# KiCad board panel.kicad_pcb (continued)
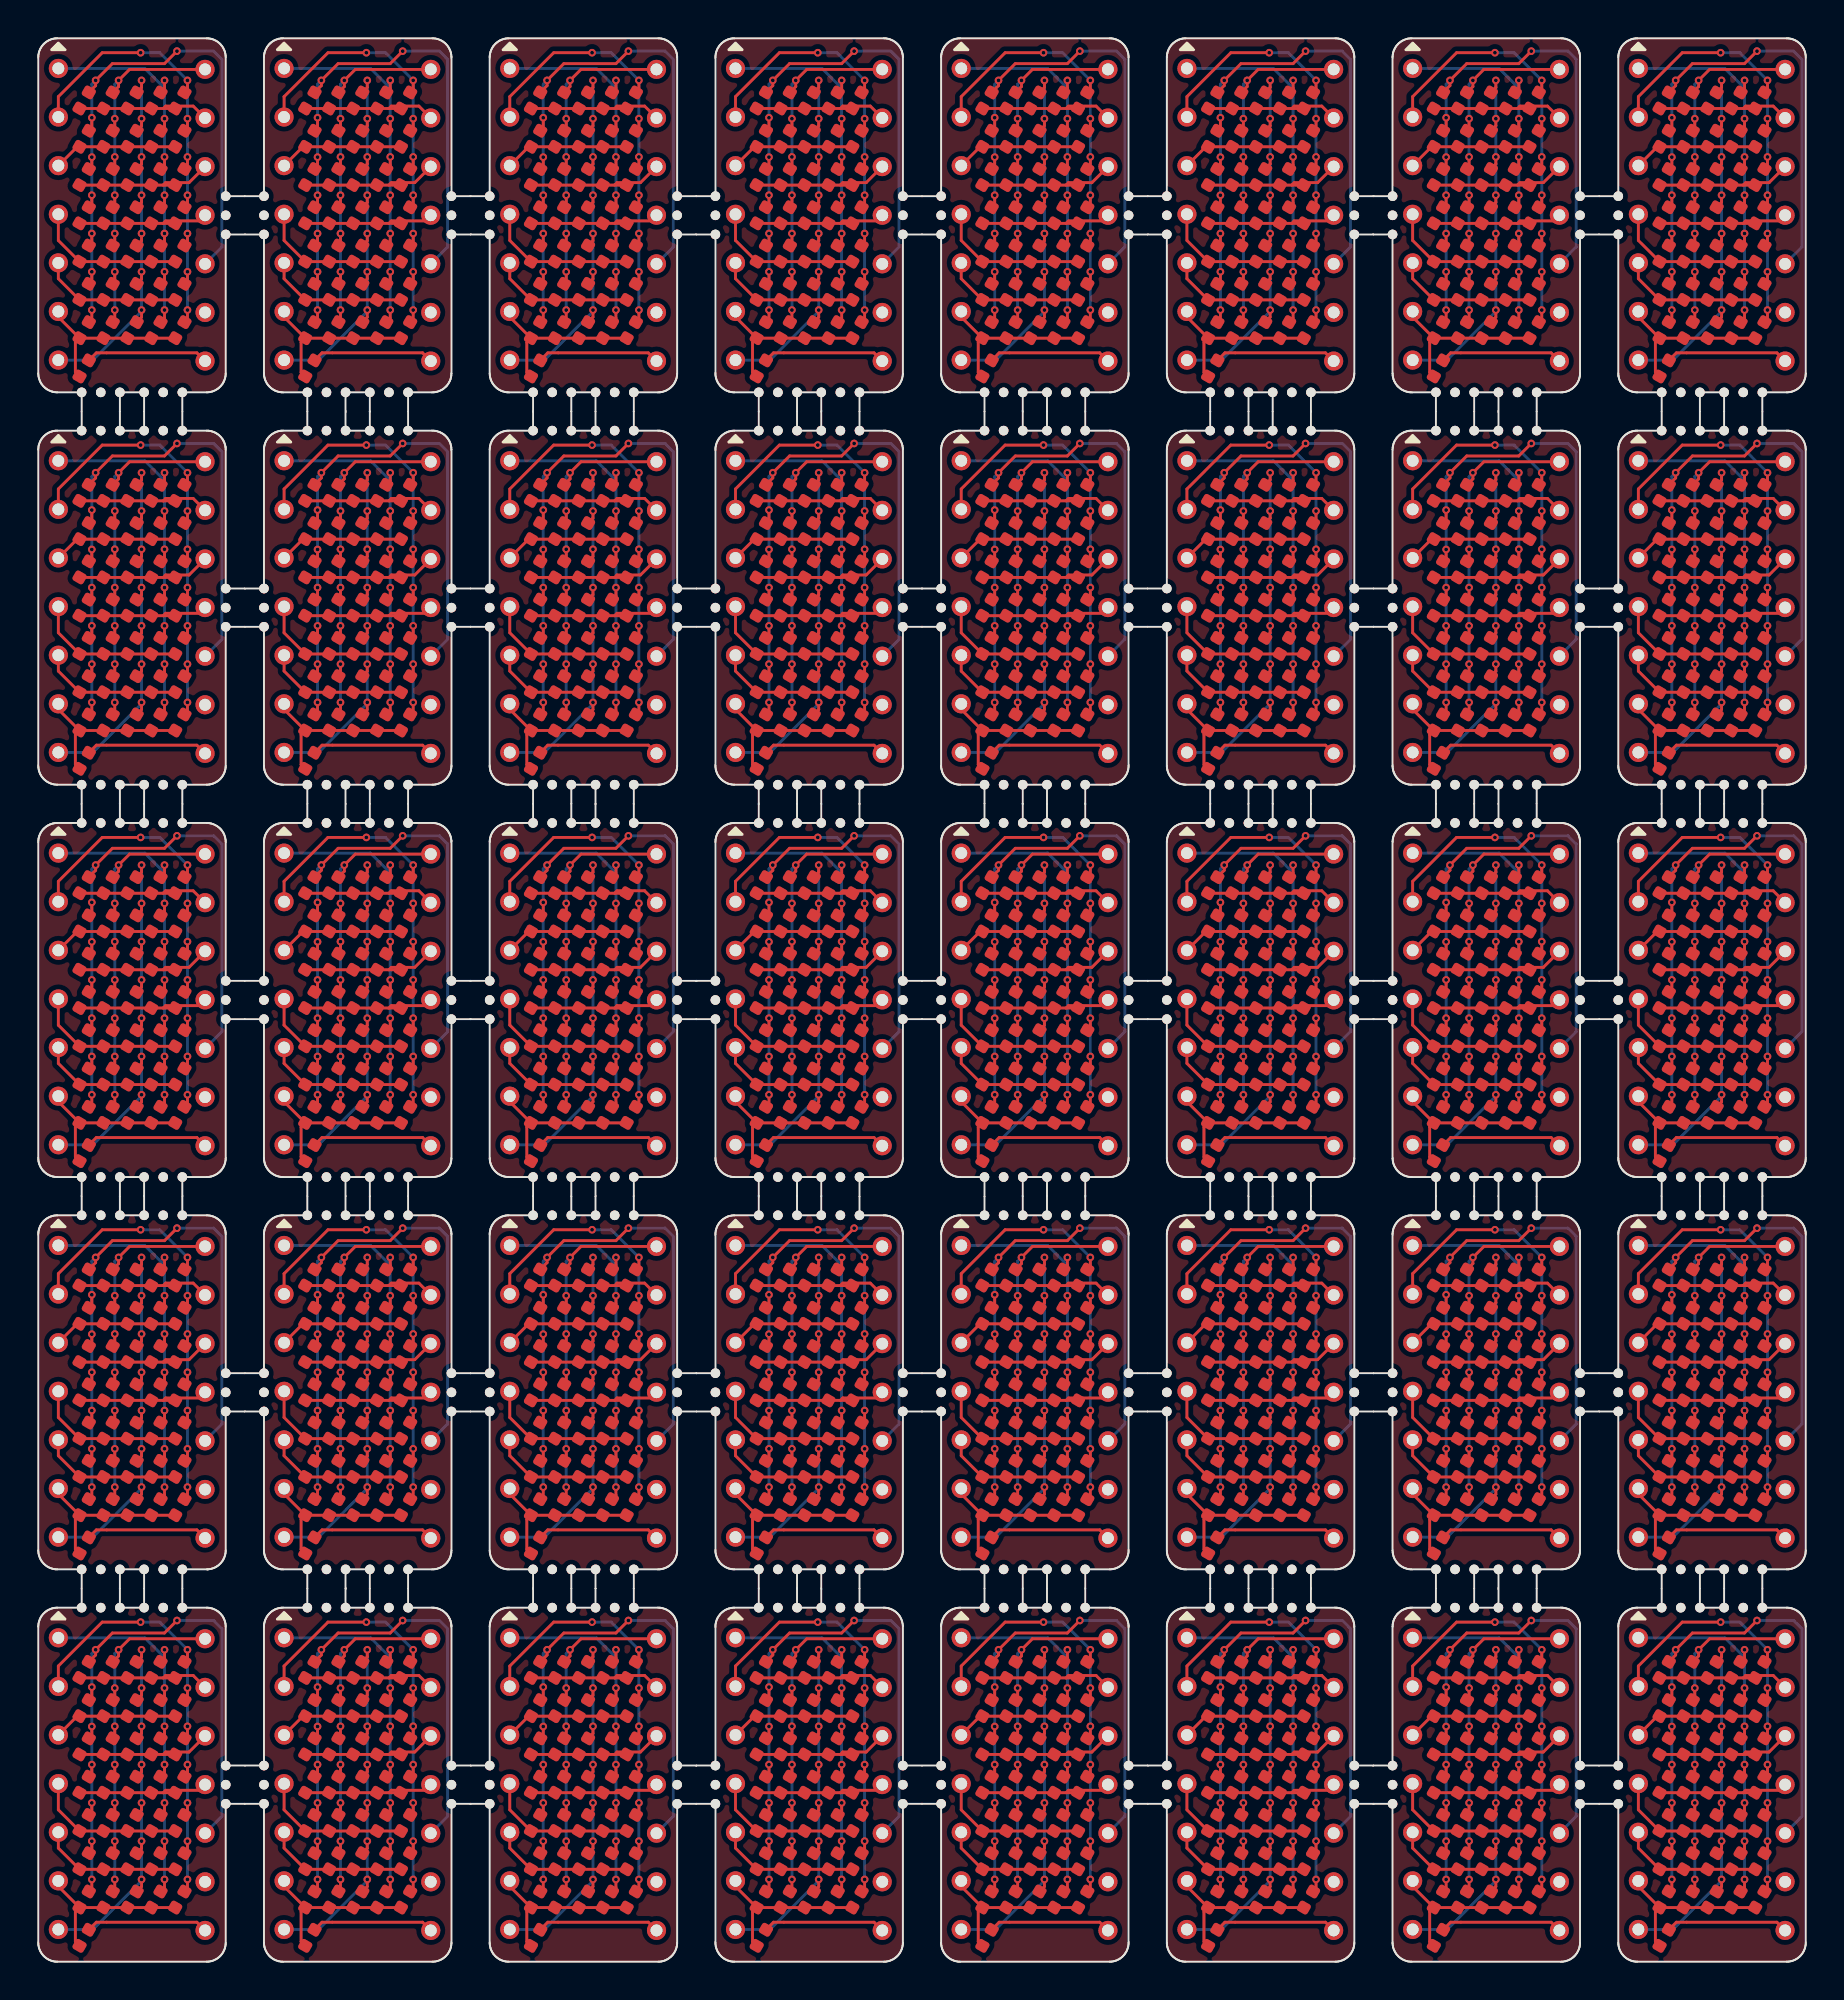
[diagram p0: board, top side]
## Placement (name value [footprint] x y rotation side) (continued)
D24#14  LED  [LED_0402_1005Metric]  88.75 13.25 60 top
D24#15  LED  [LED_0402_1005Metric]  41.55 13.25 60 top
D24#16  LED  [LED_0402_1005Metric]  17.95 33.75 60 top
D24#17  LED  [LED_0402_1005Metric]  17.95 74.75 60 top
D24#18  LED  [LED_0402_1005Metric]  29.75 54.25 60 top
D24#19  LED  [LED_0402_1005Metric]  76.95 74.75 60 top
D24#20  LED  [LED_0402_1005Metric]  65.15 13.25 60 top
D24#21  LED  [LED_0402_1005Metric]  29.75 33.75 60 top
D24#22  LED  [LED_0402_1005Metric]  53.35 54.25 60 top
D24#23  LED  [LED_0402_1005Metric]  76.95 95.25 60 top
D24#24  LED  [LED_0402_1005Metric]  65.15 95.25 60 top
D24#25  LED  [LED_0402_1005Metric]  6.15 33.75 60 top
D24#26  LED  [LED_0402_1005Metric]  6.15 13.25 60 top
D24#27  LED  [LED_0402_1005Metric]  65.15 74.75 60 top
D24#28  LED  [LED_0402_1005Metric]  29.75 13.25 60 top
D24#29  LED  [LED_0402_1005Metric]  17.95 54.25 60 top
D24#30  LED  [LED_0402_1005Metric]  65.15 54.25 60 top
D24#31  LED  [LED_0402_1005Metric]  41.55 33.75 60 top
D24#32  LED  [LED_0402_1005Metric]  17.95 95.25 60 top
D24#33  LED  [LED_0402_1005Metric]  6.15 95.25 60 top
D24#34  LED  [LED_0402_1005Metric]  65.15 33.75 60 top
D24#35  LED  [LED_0402_1005Metric]  76.95 33.75 60 top
D24#36  LED  [LED_0402_1005Metric]  88.75 74.75 60 top
D24#37  LED  [LED_0402_1005Metric]  88.75 33.75 60 top
D24#38  LED  [LED_0402_1005Metric]  41.55 74.75 60 top
D24#39  LED  [LED_0402_1005Metric]  53.35 95.25 60 top
D24#40  LED  [LED_0402_1005Metric]  76.95 54.25 60 top
D25  LED  [LED_0402_1005Metric]  41.55 93.25 60 top
D25#2  LED  [LED_0402_1005Metric]  6.15 72.75 60 top
D25#3  LED  [LED_0402_1005Metric]  76.95 52.25 60 top
D25#4  LED  [LED_0402_1005Metric]  88.75 93.25 60 top
D25#5  LED  [LED_0402_1005Metric]  6.15 52.25 60 top
D25#6  LED  [LED_0402_1005Metric]  76.95 72.75 60 top
D25#7  LED  [LED_0402_1005Metric]  65.15 31.75 60 top
D25#8  LED  [LED_0402_1005Metric]  76.95 11.25 60 top
D25#9  LED  [LED_0402_1005Metric]  65.15 52.25 60 top
D25#10  LED  [LED_0402_1005Metric]  41.55 11.25 60 top
D25#11  LED  [LED_0402_1005Metric]  6.15 31.75 60 top
D25#12  LED  [LED_0402_1005Metric]  65.15 93.25 60 top
D25#13  LED  [LED_0402_1005Metric]  41.55 72.75 60 top
D25#14  LED  [LED_0402_1005Metric]  88.75 52.25 60 top
D25#15  LED  [LED_0402_1005Metric]  76.95 31.75 60 top
D25#16  LED  [LED_0402_1005Metric]  17.95 93.25 60 top
D25#17  LED  [LED_0402_1005Metric]  88.75 31.75 60 top
D25#18  LED  [LED_0402_1005Metric]  76.95 93.25 60 top
D25#19  LED  [LED_0402_1005Metric]  41.55 31.75 60 top
D25#20  LED  [LED_0402_1005Metric]  88.75 72.75 60 top
D25#21  LED  [LED_0402_1005Metric]  53.35 93.25 60 top
D25#22  LED  [LED_0402_1005Metric]  6.15 11.25 60 top
D25#23  LED  [LED_0402_1005Metric]  17.95 72.75 60 top
D25#24  LED  [LED_0402_1005Metric]  88.75 11.25 60 top
D25#25  LED  [LED_0402_1005Metric]  17.95 52.25 60 top
D25#26  LED  [LED_0402_1005Metric]  53.35 31.75 60 top
D25#27  LED  [LED_0402_1005Metric]  29.75 52.25 60 top
D25#28  LED  [LED_0402_1005Metric]  65.15 11.25 60 top
D25#29  LED  [LED_0402_1005Metric]  65.15 72.75 60 top
D25#30  LED  [LED_0402_1005Metric]  29.75 11.25 60 top
D25#31  LED  [LED_0402_1005Metric]  29.75 93.25 60 top
D25#32  LED  [LED_0402_1005Metric]  53.35 72.75 60 top
D25#33  LED  [LED_0402_1005Metric]  6.15 93.25 60 top
D25#34  LED  [LED_0402_1005Metric]  17.95 31.75 60 top
D25#35  LED  [LED_0402_1005Metric]  29.75 31.75 60 top
D25#36  LED  [LED_0402_1005Metric]  53.35 11.25 60 top
D25#37  LED  [LED_0402_1005Metric]  53.35 52.25 60 top
D25#38  LED  [LED_0402_1005Metric]  17.95 11.25 60 top
D25#39  LED  [LED_0402_1005Metric]  29.75 72.75 60 top
D25#40  LED  [LED_0402_1005Metric]  41.55 52.25 60 top
D26  LED  [LED_0402_1005Metric]  6.15 29.75 60 top
D26#2  LED  [LED_0402_1005Metric]  88.75 70.75 60 top
D26#3  LED  [LED_0402_1005Metric]  41.55 50.25 60 top
D26#4  LED  [LED_0402_1005Metric]  17.95 70.75 60 top
D26#5  LED  [LED_0402_1005Metric]  41.55 70.75 60 top
D26#6  LED  [LED_0402_1005Metric]  29.75 50.25 60 top
D26#7  LED  [LED_0402_1005Metric]  76.95 29.75 60 top
D26#8  LED  [LED_0402_1005Metric]  41.55 29.75 60 top
D26#9  LED  [LED_0402_1005Metric]  53.35 9.25 60 top
D26#10  LED  [LED_0402_1005Metric]  65.15 50.25 60 top
D26#11  LED  [LED_0402_1005Metric]  53.35 50.25 60 top
D26#12  LED  [LED_0402_1005Metric]  53.35 91.25 60 top
D26#13  LED  [LED_0402_1005Metric]  41.55 9.25 60 top
D26#14  LED  [LED_0402_1005Metric]  76.95 50.25 60 top
D26#15  LED  [LED_0402_1005Metric]  41.55 91.25 60 top
D26#16  LED  [LED_0402_1005Metric]  29.75 91.25 60 top
D26#17  LED  [LED_0402_1005Metric]  65.15 9.25 60 top
D26#18  LED  [LED_0402_1005Metric]  6.15 91.25 60 top
D26#19  LED  [LED_0402_1005Metric]  17.95 9.25 60 top
D26#20  LED  [LED_0402_1005Metric]  88.75 9.25 60 top
D26#21  LED  [LED_0402_1005Metric]  76.95 91.25 60 top
D26#22  LED  [LED_0402_1005Metric]  17.95 91.25 60 top
D26#23  LED  [LED_0402_1005Metric]  65.15 29.75 60 top
D26#24  LED  [LED_0402_1005Metric]  6.15 50.25 60 top
D26#25  LED  [LED_0402_1005Metric]  65.15 70.75 60 top
D26#26  LED  [LED_0402_1005Metric]  6.15 70.75 60 top
D26#27  LED  [LED_0402_1005Metric]  88.75 50.25 60 top
D26#28  LED  [LED_0402_1005Metric]  88.75 29.75 60 top
D26#29  LED  [LED_0402_1005Metric]  29.75 9.25 60 top
D26#30  LED  [LED_0402_1005Metric]  6.15 9.25 60 top
D26#31  LED  [LED_0402_1005Metric]  76.95 9.25 60 top
D26#32  LED  [LED_0402_1005Metric]  88.75 91.25 60 top
D26#33  LED  [LED_0402_1005Metric]  29.75 29.75 60 top
D26#34  LED  [LED_0402_1005Metric]  76.95 70.75 60 top
D26#35  LED  [LED_0402_1005Metric]  17.95 50.25 60 top
D26#36  LED  [LED_0402_1005Metric]  53.35 70.75 60 top
D26#37  LED  [LED_0402_1005Metric]  65.15 91.25 60 top
D26#38  LED  [LED_0402_1005Metric]  53.35 29.75 60 top
D26#39  LED  [LED_0402_1005Metric]  29.75 70.75 60 top
D26#40  LED  [LED_0402_1005Metric]  17.95 29.75 60 top
D27  LED  [LED_0402_1005Metric]  88.75 27.75 60 top
D27#2  LED  [LED_0402_1005Metric]  17.95 68.75 60 top
D27#3  LED  [LED_0402_1005Metric]  6.15 89.25 60 top
D27#4  LED  [LED_0402_1005Metric]  6.15 27.75 60 top
D27#5  LED  [LED_0402_1005Metric]  29.75 48.25 60 top
D27#6  LED  [LED_0402_1005Metric]  41.55 48.25 60 top
D27#7  LED  [LED_0402_1005Metric]  76.95 27.75 60 top
D27#8  LED  [LED_0402_1005Metric]  41.55 68.75 60 top
D27#9  LED  [LED_0402_1005Metric]  76.95 89.25 60 top
D27#10  LED  [LED_0402_1005Metric]  53.35 89.25 60 top
D27#11  LED  [LED_0402_1005Metric]  88.75 89.25 60 top
D27#12  LED  [LED_0402_1005Metric]  65.15 48.25 60 top
D27#13  LED  [LED_0402_1005Metric]  17.95 48.25 60 top
D27#14  LED  [LED_0402_1005Metric]  29.75 7.25 60 top
D27#15  LED  [LED_0402_1005Metric]  17.95 7.25 60 top
D27#16  LED  [LED_0402_1005Metric]  6.15 48.25 60 top
D27#17  LED  [LED_0402_1005Metric]  29.75 89.25 60 top
D27#18  LED  [LED_0402_1005Metric]  6.15 7.25 60 top
D27#19  LED  [LED_0402_1005Metric]  65.15 89.25 60 top
D27#20  LED  [LED_0402_1005Metric]  17.95 89.25 60 top
D27#21  LED  [LED_0402_1005Metric]  76.95 7.25 60 top
D27#22  LED  [LED_0402_1005Metric]  41.55 27.75 60 top
D27#23  LED  [LED_0402_1005Metric]  76.95 48.25 60 top
D27#24  LED  [LED_0402_1005Metric]  65.15 7.25 60 top
D27#25  LED  [LED_0402_1005Metric]  6.15 68.75 60 top
D27#26  LED  [LED_0402_1005Metric]  88.75 48.25 60 top
D27#27  LED  [LED_0402_1005Metric]  29.75 27.75 60 top
D27#28  LED  [LED_0402_1005Metric]  41.55 7.25 60 top
D27#29  LED  [LED_0402_1005Metric]  41.55 89.25 60 top
D27#30  LED  [LED_0402_1005Metric]  88.75 68.75 60 top
D27#31  LED  [LED_0402_1005Metric]  65.15 27.75 60 top
D27#32  LED  [LED_0402_1005Metric]  53.35 68.75 60 top
D27#33  LED  [LED_0402_1005Metric]  17.95 27.75 60 top
D27#34  LED  [LED_0402_1005Metric]  53.35 7.25 60 top
D27#35  LED  [LED_0402_1005Metric]  29.75 68.75 60 top
D27#36  LED  [LED_0402_1005Metric]  88.75 7.25 60 top
D27#37  LED  [LED_0402_1005Metric]  53.35 27.75 60 top
D27#38  LED  [LED_0402_1005Metric]  65.15 68.75 60 top
D27#39  LED  [LED_0402_1005Metric]  53.35 48.25 60 top
D27#40  LED  [LED_0402_1005Metric]  76.95 68.75 60 top
D28  LED  [LED_0402_1005Metric]  65.15 87.25 60 top
D28#2  LED  [LED_0402_1005Metric]  17.95 46.25 60 top
D28#3  LED  [LED_0402_1005Metric]  29.75 25.75 60 top
D28#4  LED  [LED_0402_1005Metric]  53.35 46.25 60 top
D28#5  LED  [LED_0402_1005Metric]  53.35 87.25 60 top
D28#6  LED  [LED_0402_1005Metric]  41.55 66.75 60 top
D28#7  LED  [LED_0402_1005Metric]  53.35 5.25 60 top
D28#8  LED  [LED_0402_1005Metric]  88.75 66.75 60 top
D28#9  LED  [LED_0402_1005Metric]  65.15 46.25 60 top
D28#10  LED  [LED_0402_1005Metric]  29.75 87.25 60 top
D28#11  LED  [LED_0402_1005Metric]  17.95 66.75 60 top
D28#12  LED  [LED_0402_1005Metric]  88.75 46.25 60 top
D28#13  LED  [LED_0402_1005Metric]  29.75 66.75 60 top
D28#14  LED  [LED_0402_1005Metric]  29.75 5.25 60 top
D28#15  LED  [LED_0402_1005Metric]  29.75 46.25 60 top
D28#16  LED  [LED_0402_1005Metric]  6.15 46.25 60 top
D28#17  LED  [LED_0402_1005Metric]  41.55 5.25 60 top
D28#18  LED  [LED_0402_1005Metric]  17.95 5.25 60 top
D28#19  LED  [LED_0402_1005Metric]  53.35 25.75 60 top
D28#20  LED  [LED_0402_1005Metric]  41.55 46.25 60 top
D28#21  LED  [LED_0402_1005Metric]  6.15 87.25 60 top
D28#22  LED  [LED_0402_1005Metric]  6.15 66.75 60 top
D28#23  LED  [LED_0402_1005Metric]  76.95 87.25 60 top
D28#24  LED  [LED_0402_1005Metric]  53.35 66.75 60 top
D28#25  LED  [LED_0402_1005Metric]  17.95 87.25 60 top
D28#26  LED  [LED_0402_1005Metric]  88.75 87.25 60 top
D28#27  LED  [LED_0402_1005Metric]  88.75 5.25 60 top
D28#28  LED  [LED_0402_1005Metric]  6.15 5.25 60 top
D28#29  LED  [LED_0402_1005Metric]  65.15 66.75 60 top
D28#30  LED  [LED_0402_1005Metric]  65.15 25.75 60 top
D28#31  LED  [LED_0402_1005Metric]  76.95 25.75 60 top
D28#32  LED  [LED_0402_1005Metric]  17.95 25.75 60 top
D28#33  LED  [LED_0402_1005Metric]  76.95 5.25 60 top
D28#34  LED  [LED_0402_1005Metric]  76.95 66.75 60 top
D28#35  LED  [LED_0402_1005Metric]  41.55 87.25 60 top
D28#36  LED  [LED_0402_1005Metric]  76.95 46.25 60 top
D28#37  LED  [LED_0402_1005Metric]  65.15 5.25 60 top
D28#38  LED  [LED_0402_1005Metric]  88.75 25.75 60 top
D28#39  LED  [LED_0402_1005Metric]  6.15 25.75 60 top
D28#40  LED  [LED_0402_1005Metric]  41.55 25.75 60 top
D29  LED  [LED_0402_1005Metric]  29.75 44.25 60 top
D29#2  LED  [LED_0402_1005Metric]  76.95 23.75 60 top
D29#3  LED  [LED_0402_1005Metric]  41.55 44.25 60 top
D29#4  LED  [LED_0402_1005Metric]  88.75 3.25 60 top
D29#5  LED  [LED_0402_1005Metric]  88.75 23.75 60 top
D29#6  LED  [LED_0402_1005Metric]  65.15 3.25 60 top
D29#7  LED  [LED_0402_1005Metric]  88.75 85.25 60 top
D29#8  LED  [LED_0402_1005Metric]  17.95 3.25 60 top
D29#9  LED  [LED_0402_1005Metric]  88.75 44.25 60 top
D29#10  LED  [LED_0402_1005Metric]  17.95 44.25 60 top
D29#11  LED  [LED_0402_1005Metric]  53.35 23.75 60 top
D29#12  LED  [LED_0402_1005Metric]  17.95 64.75 60 top
D29#13  LED  [LED_0402_1005Metric]  76.95 85.25 60 top
D29#14  LED  [LED_0402_1005Metric]  41.55 23.75 60 top
D29#15  LED  [LED_0402_1005Metric]  53.35 44.25 60 top
D29#16  LED  [LED_0402_1005Metric]  76.95 64.75 60 top
D29#17  LED  [LED_0402_1005Metric]  29.75 64.75 60 top
D29#18  LED  [LED_0402_1005Metric]  6.15 85.25 60 top
D29#19  LED  [LED_0402_1005Metric]  65.15 85.25 60 top
D29#20  LED  [LED_0402_1005Metric]  41.55 3.25 60 top
D29#21  LED  [LED_0402_1005Metric]  29.75 85.25 60 top
D29#22  LED  [LED_0402_1005Metric]  6.15 44.25 60 top
D29#23  LED  [LED_0402_1005Metric]  53.35 85.25 60 top
D29#24  LED  [LED_0402_1005Metric]  41.55 64.75 60 top
D29#25  LED  [LED_0402_1005Metric]  76.95 44.25 60 top
D29#26  LED  [LED_0402_1005Metric]  17.95 23.75 60 top
D29#27  LED  [LED_0402_1005Metric]  6.15 64.75 60 top
D29#28  LED  [LED_0402_1005Metric]  6.15 23.75 60 top
D29#29  LED  [LED_0402_1005Metric]  65.15 64.75 60 top
D29#30  LED  [LED_0402_1005Metric]  29.75 3.25 60 top
D29#31  LED  [LED_0402_1005Metric]  53.35 64.75 60 top
D29#32  LED  [LED_0402_1005Metric]  65.15 44.25 60 top
D29#33  LED  [LED_0402_1005Metric]  65.15 23.75 60 top
D29#34  LED  [LED_0402_1005Metric]  17.95 85.25 60 top
D29#35  LED  [LED_0402_1005Metric]  53.35 3.25 60 top
D29#36  LED  [LED_0402_1005Metric]  88.75 64.75 60 top
D29#37  LED  [LED_0402_1005Metric]  6.15 3.25 60 top
D29#38  LED  [LED_0402_1005Metric]  29.75 23.75 60 top
D29#39  LED  [LED_0402_1005Metric]  41.55 85.25 60 top
D29#40  LED  [LED_0402_1005Metric]  76.95 3.25 60 top
D30  LED  [LED_0402_1005Metric]  90 76.75 60 top
D30#2  LED  [LED_0402_1005Metric]  7.4 15.25 60 top
D30#3  LED  [LED_0402_1005Metric]  7.4 35.75 60 top
D30#4  LED  [LED_0402_1005Metric]  54.6 56.25 60 top
D30#5  LED  [LED_0402_1005Metric]  54.6 76.75 60 top
D30#6  LED  [LED_0402_1005Metric]  19.2 15.25 60 top
D30#7  LED  [LED_0402_1005Metric]  42.8 97.25 60 top
D30#8  LED  [LED_0402_1005Metric]  7.4 97.25 60 top
D30#9  LED  [LED_0402_1005Metric]  66.4 76.75 60 top
D30#10  LED  [LED_0402_1005Metric]  31 56.25 60 top
D30#11  LED  [LED_0402_1005Metric]  19.2 35.75 60 top
D30#12  LED  [LED_0402_1005Metric]  90 15.25 60 top
D30#13  LED  [LED_0402_1005Metric]  31 15.25 60 top
D30#14  LED  [LED_0402_1005Metric]  78.2 56.25 60 top
D30#15  LED  [LED_0402_1005Metric]  42.8 56.25 60 top
D30#16  LED  [LED_0402_1005Metric]  66.4 97.25 60 top
D30#17  LED  [LED_0402_1005Metric]  78.2 76.75 60 top
D30#18  LED  [LED_0402_1005Metric]  78.2 97.25 60 top
D30#19  LED  [LED_0402_1005Metric]  54.6 97.25 60 top
D30#20  LED  [LED_0402_1005Metric]  54.6 15.25 60 top
D30#21  LED  [LED_0402_1005Metric]  42.8 35.75 60 top
D30#22  LED  [LED_0402_1005Metric]  42.8 76.75 60 top
D30#23  LED  [LED_0402_1005Metric]  78.2 35.75 60 top
D30#24  LED  [LED_0402_1005Metric]  78.2 15.25 60 top
D30#25  LED  [LED_0402_1005Metric]  90 35.75 60 top
D30#26  LED  [LED_0402_1005Metric]  42.8 15.25 60 top
D30#27  LED  [LED_0402_1005Metric]  90 56.25 60 top
D30#28  LED  [LED_0402_1005Metric]  19.2 56.25 60 top
D30#29  LED  [LED_0402_1005Metric]  31 97.25 60 top
D30#30  LED  [LED_0402_1005Metric]  66.4 56.25 60 top
D30#31  LED  [LED_0402_1005Metric]  31 76.75 60 top
D30#32  LED  [LED_0402_1005Metric]  54.6 35.75 60 top
D30#33  LED  [LED_0402_1005Metric]  19.2 97.25 60 top
D30#34  LED  [LED_0402_1005Metric]  90 97.25 60 top
D30#35  LED  [LED_0402_1005Metric]  66.4 15.25 60 top
D30#36  LED  [LED_0402_1005Metric]  31 35.75 60 top
D30#37  LED  [LED_0402_1005Metric]  7.4 56.25 60 top
D30#38  LED  [LED_0402_1005Metric]  66.4 35.75 60 top
D30#39  LED  [LED_0402_1005Metric]  7.4 76.75 60 top
D30#40  LED  [LED_0402_1005Metric]  19.2 76.75 60 top
D31  LED  [LED_0402_1005Metric]  31 95.25 60 top
D31#2  LED  [LED_0402_1005Metric]  66.4 95.25 60 top
D31#3  LED  [LED_0402_1005Metric]  54.6 74.75 60 top
D31#4  LED  [LED_0402_1005Metric]  42.8 33.75 60 top
D31#5  LED  [LED_0402_1005Metric]  19.2 74.75 60 top
D31#6  LED  [LED_0402_1005Metric]  66.4 54.25 60 top
D31#7  LED  [LED_0402_1005Metric]  78.2 33.75 60 top
D31#8  LED  [LED_0402_1005Metric]  19.2 95.25 60 top
D31#9  LED  [LED_0402_1005Metric]  7.4 95.25 60 top
D31#10  LED  [LED_0402_1005Metric]  78.2 54.25 60 top
D31#11  LED  [LED_0402_1005Metric]  90 95.25 60 top
D31#12  LED  [LED_0402_1005Metric]  31 33.75 60 top
D31#13  LED  [LED_0402_1005Metric]  78.2 74.75 60 top
D31#14  LED  [LED_0402_1005Metric]  90 74.75 60 top
D31#15  LED  [LED_0402_1005Metric]  66.4 74.75 60 top
D31#16  LED  [LED_0402_1005Metric]  66.4 13.25 60 top
D31#17  LED  [LED_0402_1005Metric]  42.8 74.75 60 top
D31#18  LED  [LED_0402_1005Metric]  78.2 95.25 60 top
D31#19  LED  [LED_0402_1005Metric]  7.4 13.25 60 top
D31#20  LED  [LED_0402_1005Metric]  54.6 33.75 60 top
D31#21  LED  [LED_0402_1005Metric]  54.6 95.25 60 top
D31#22  LED  [LED_0402_1005Metric]  31 54.25 60 top
D31#23  LED  [LED_0402_1005Metric]  42.8 13.25 60 top
D31#24  LED  [LED_0402_1005Metric]  7.4 33.75 60 top
D31#25  LED  [LED_0402_1005Metric]  7.4 54.25 60 top
D31#26  LED  [LED_0402_1005Metric]  42.8 95.25 60 top
D31#27  LED  [LED_0402_1005Metric]  54.6 13.25 60 top
D31#28  LED  [LED_0402_1005Metric]  19.2 54.25 60 top
D31#29  LED  [LED_0402_1005Metric]  42.8 54.25 60 top
D31#30  LED  [LED_0402_1005Metric]  90 54.25 60 top
D31#31  LED  [LED_0402_1005Metric]  90 13.25 60 top
D31#32  LED  [LED_0402_1005Metric]  54.6 54.25 60 top
D31#33  LED  [LED_0402_1005Metric]  19.2 33.75 60 top
D31#34  LED  [LED_0402_1005Metric]  90 33.75 60 top
D31#35  LED  [LED_0402_1005Metric]  7.4 74.75 60 top
D31#36  LED  [LED_0402_1005Metric]  66.4 33.75 60 top
D31#37  LED  [LED_0402_1005Metric]  19.2 13.25 60 top
D31#38  LED  [LED_0402_1005Metric]  78.2 13.25 60 top
D31#39  LED  [LED_0402_1005Metric]  31 74.75 60 top
D31#40  LED  [LED_0402_1005Metric]  31 13.25 60 top
D32  LED  [LED_0402_1005Metric]  78.2 72.75 60 top
D32#2  LED  [LED_0402_1005Metric]  54.6 31.75 60 top
D32#3  LED  [LED_0402_1005Metric]  7.4 93.25 60 top
D32#4  LED  [LED_0402_1005Metric]  90 52.25 60 top
D32#5  LED  [LED_0402_1005Metric]  42.8 31.75 60 top
D32#6  LED  [LED_0402_1005Metric]  78.2 11.25 60 top
D32#7  LED  [LED_0402_1005Metric]  31 93.25 60 top
D32#8  LED  [LED_0402_1005Metric]  66.4 93.25 60 top
D32#9  LED  [LED_0402_1005Metric]  42.8 11.25 60 top
D32#10  LED  [LED_0402_1005Metric]  66.4 31.75 60 top
D32#11  LED  [LED_0402_1005Metric]  66.4 72.75 60 top
D32#12  LED  [LED_0402_1005Metric]  90 31.75 60 top
D32#13  LED  [LED_0402_1005Metric]  78.2 52.25 60 top
D32#14  LED  [LED_0402_1005Metric]  42.8 93.25 60 top
D32#15  LED  [LED_0402_1005Metric]  90 93.25 60 top
D32#16  LED  [LED_0402_1005Metric]  42.8 72.75 60 top
D32#17  LED  [LED_0402_1005Metric]  90 72.75 60 top
D32#18  LED  [LED_0402_1005Metric]  66.4 11.25 60 top
D32#19  LED  [LED_0402_1005Metric]  54.6 72.75 60 top
D32#20  LED  [LED_0402_1005Metric]  54.6 93.25 60 top
D32#21  LED  [LED_0402_1005Metric]  19.2 31.75 60 top
D32#22  LED  [LED_0402_1005Metric]  7.4 72.75 60 top
D32#23  LED  [LED_0402_1005Metric]  19.2 11.25 60 top
D32#24  LED  [LED_0402_1005Metric]  90 11.25 60 top
D32#25  LED  [LED_0402_1005Metric]  31 52.25 60 top
D32#26  LED  [LED_0402_1005Metric]  31 11.25 60 top
D32#27  LED  [LED_0402_1005Metric]  31 31.75 60 top
D32#28  LED  [LED_0402_1005Metric]  19.2 52.25 60 top
D32#29  LED  [LED_0402_1005Metric]  31 72.75 60 top
D32#30  LED  [LED_0402_1005Metric]  7.4 31.75 60 top
D32#31  LED  [LED_0402_1005Metric]  78.2 31.75 60 top
D32#32  LED  [LED_0402_1005Metric]  66.4 52.25 60 top
D32#33  LED  [LED_0402_1005Metric]  54.6 52.25 60 top
D32#34  LED  [LED_0402_1005Metric]  19.2 93.25 60 top
D32#35  LED  [LED_0402_1005Metric]  54.6 11.25 60 top
D32#36  LED  [LED_0402_1005Metric]  19.2 72.75 60 top
D32#37  LED  [LED_0402_1005Metric]  78.2 93.25 60 top
D32#38  LED  [LED_0402_1005Metric]  7.4 11.25 60 top
D32#39  LED  [LED_0402_1005Metric]  42.8 52.25 60 top
D32#40  LED  [LED_0402_1005Metric]  7.4 52.25 60 top
D33  LED  [LED_0402_1005Metric]  42.8 9.25 60 top
D33#2  LED  [LED_0402_1005Metric]  7.4 9.25 60 top
D33#3  LED  [LED_0402_1005Metric]  7.4 70.75 60 top
D33#4  LED  [LED_0402_1005Metric]  66.4 70.75 60 top
D33#5  LED  [LED_0402_1005Metric]  54.6 50.25 60 top
D33#6  LED  [LED_0402_1005Metric]  31 29.75 60 top
D33#7  LED  [LED_0402_1005Metric]  90 9.25 60 top
D33#8  LED  [LED_0402_1005Metric]  90 29.75 60 top
D33#9  LED  [LED_0402_1005Metric]  66.4 91.25 60 top
D33#10  LED  [LED_0402_1005Metric]  7.4 29.75 60 top
D33#11  LED  [LED_0402_1005Metric]  54.6 70.75 60 top
D33#12  LED  [LED_0402_1005Metric]  90 50.25 60 top
D33#13  LED  [LED_0402_1005Metric]  19.2 29.75 60 top
D33#14  LED  [LED_0402_1005Metric]  31 9.25 60 top
D33#15  LED  [LED_0402_1005Metric]  42.8 29.75 60 top
D33#16  LED  [LED_0402_1005Metric]  54.6 9.25 60 top
D33#17  LED  [LED_0402_1005Metric]  42.8 50.25 60 top
D33#18  LED  [LED_0402_1005Metric]  42.8 70.75 60 top
D33#19  LED  [LED_0402_1005Metric]  66.4 29.75 60 top
D33#20  LED  [LED_0402_1005Metric]  78.2 29.75 60 top
D33#21  LED  [LED_0402_1005Metric]  31 91.25 60 top
D33#22  LED  [LED_0402_1005Metric]  7.4 91.25 60 top
D33#23  LED  [LED_0402_1005Metric]  19.2 91.25 60 top
D33#24  LED  [LED_0402_1005Metric]  19.2 50.25 60 top
D33#25  LED  [LED_0402_1005Metric]  54.6 91.25 60 top
D33#26  LED  [LED_0402_1005Metric]  90 91.25 60 top
D33#27  LED  [LED_0402_1005Metric]  19.2 9.25 60 top
D33#28  LED  [LED_0402_1005Metric]  78.2 70.75 60 top
D33#29  LED  [LED_0402_1005Metric]  42.8 91.25 60 top
D33#30  LED  [LED_0402_1005Metric]  78.2 91.25 60 top
D33#31  LED  [LED_0402_1005Metric]  19.2 70.75 60 top
D33#32  LED  [LED_0402_1005Metric]  31 50.25 60 top
D33#33  LED  [LED_0402_1005Metric]  7.4 50.25 60 top
D33#34  LED  [LED_0402_1005Metric]  90 70.75 60 top
D33#35  LED  [LED_0402_1005Metric]  66.4 50.25 60 top
D33#36  LED  [LED_0402_1005Metric]  66.4 9.25 60 top
D33#37  LED  [LED_0402_1005Metric]  54.6 29.75 60 top
D33#38  LED  [LED_0402_1005Metric]  78.2 50.25 60 top
D33#39  LED  [LED_0402_1005Metric]  31 70.75 60 top
D33#40  LED  [LED_0402_1005Metric]  78.2 9.25 60 top
D34  LED  [LED_0402_1005Metric]  19.2 68.75 60 top
D34#2  LED  [LED_0402_1005Metric]  66.4 48.25 60 top
D34#3  LED  [LED_0402_1005Metric]  78.2 7.25 60 top
D34#4  LED  [LED_0402_1005Metric]  90 27.75 60 top
D34#5  LED  [LED_0402_1005Metric]  7.4 7.25 60 top
D34#6  LED  [LED_0402_1005Metric]  7.4 48.25 60 top
D34#7  LED  [LED_0402_1005Metric]  19.2 89.25 60 top
D34#8  LED  [LED_0402_1005Metric]  78.2 48.25 60 top
D34#9  LED  [LED_0402_1005Metric]  7.4 27.75 60 top
D34#10  LED  [LED_0402_1005Metric]  66.4 7.25 60 top
D34#11  LED  [LED_0402_1005Metric]  19.2 7.25 60 top
D34#12  LED  [LED_0402_1005Metric]  31 7.25 60 top
D34#13  LED  [LED_0402_1005Metric]  54.6 7.25 60 top
D34#14  LED  [LED_0402_1005Metric]  19.2 27.75 60 top
D34#15  LED  [LED_0402_1005Metric]  7.4 68.75 60 top
D34#16  LED  [LED_0402_1005Metric]  78.2 27.75 60 top
D34#17  LED  [LED_0402_1005Metric]  66.4 89.25 60 top
D34#18  LED  [LED_0402_1005Metric]  54.6 89.25 60 top
D34#19  LED  [LED_0402_1005Metric]  90 89.25 60 top
D34#20  LED  [LED_0402_1005Metric]  78.2 68.75 60 top
D34#21  LED  [LED_0402_1005Metric]  42.8 68.75 60 top
D34#22  LED  [LED_0402_1005Metric]  19.2 48.25 60 top
D34#23  LED  [LED_0402_1005Metric]  42.8 7.25 60 top
D34#24  LED  [LED_0402_1005Metric]  42.8 48.25 60 top
D34#25  LED  [LED_0402_1005Metric]  90 48.25 60 top
D34#26  LED  [LED_0402_1005Metric]  42.8 27.75 60 top
D34#27  LED  [LED_0402_1005Metric]  54.6 68.75 60 top
D34#28  LED  [LED_0402_1005Metric]  31 48.25 60 top
D34#29  LED  [LED_0402_1005Metric]  90 7.25 60 top
D34#30  LED  [LED_0402_1005Metric]  31 68.75 60 top
D34#31  LED  [LED_0402_1005Metric]  78.2 89.25 60 top
D34#32  LED  [LED_0402_1005Metric]  66.4 27.75 60 top
D34#33  LED  [LED_0402_1005Metric]  42.8 89.25 60 top
D34#34  LED  [LED_0402_1005Metric]  31 27.75 60 top
D34#35  LED  [LED_0402_1005Metric]  66.4 68.75 60 top
D34#36  LED  [LED_0402_1005Metric]  90 68.75 60 top
D34#37  LED  [LED_0402_1005Metric]  7.4 89.25 60 top
D34#38  LED  [LED_0402_1005Metric]  54.6 27.75 60 top
D34#39  LED  [LED_0402_1005Metric]  54.6 48.25 60 top
D34#40  LED  [LED_0402_1005Metric]  31 89.25 60 top
D35  LED  [LED_0402_1005Metric]  90 5.25 60 top
D35#2  LED  [LED_0402_1005Metric]  19.2 25.75 60 top
D35#3  LED  [LED_0402_1005Metric]  19.2 87.25 60 top
D35#4  LED  [LED_0402_1005Metric]  31 87.25 60 top
D35#5  LED  [LED_0402_1005Metric]  54.6 66.75 60 top
D35#6  LED  [LED_0402_1005Metric]  78.2 87.25 60 top
D35#7  LED  [LED_0402_1005Metric]  54.6 25.75 60 top
D35#8  LED  [LED_0402_1005Metric]  78.2 66.75 60 top
D35#9  LED  [LED_0402_1005Metric]  7.4 46.25 60 top
D35#10  LED  [LED_0402_1005Metric]  54.6 87.25 60 top
D35#11  LED  [LED_0402_1005Metric]  42.8 46.25 60 top
D35#12  LED  [LED_0402_1005Metric]  54.6 5.25 60 top
D35#13  LED  [LED_0402_1005Metric]  7.4 87.25 60 top
D35#14  LED  [LED_0402_1005Metric]  78.2 25.75 60 top
D35#15  LED  [LED_0402_1005Metric]  31 5.25 60 top
D35#16  LED  [LED_0402_1005Metric]  31 25.75 60 top
D35#17  LED  [LED_0402_1005Metric]  90 25.75 60 top
D35#18  LED  [LED_0402_1005Metric]  66.4 46.25 60 top
D35#19  LED  [LED_0402_1005Metric]  54.6 46.25 60 top
D35#20  LED  [LED_0402_1005Metric]  90 66.75 60 top
D35#21  LED  [LED_0402_1005Metric]  42.8 5.25 60 top
D35#22  LED  [LED_0402_1005Metric]  78.2 5.25 60 top
D35#23  LED  [LED_0402_1005Metric]  19.2 5.25 60 top
D35#24  LED  [LED_0402_1005Metric]  78.2 46.25 60 top
D35#25  LED  [LED_0402_1005Metric]  66.4 25.75 60 top
D35#26  LED  [LED_0402_1005Metric]  19.2 66.75 60 top
D35#27  LED  [LED_0402_1005Metric]  66.4 87.25 60 top
D35#28  LED  [LED_0402_1005Metric]  90 46.25 60 top
D35#29  LED  [LED_0402_1005Metric]  42.8 87.25 60 top
D35#30  LED  [LED_0402_1005Metric]  7.4 66.75 60 top
D35#31  LED  [LED_0402_1005Metric]  31 66.75 60 top
D35#32  LED  [LED_0402_1005Metric]  19.2 46.25 60 top
D35#33  LED  [LED_0402_1005Metric]  66.4 66.75 60 top
D35#34  LED  [LED_0402_1005Metric]  31 46.25 60 top
D35#35  LED  [LED_0402_1005Metric]  66.4 5.25 60 top
D35#36  LED  [LED_0402_1005Metric]  42.8 66.75 60 top